# Altium PCB MODULE_CONTROL_V1.0.PcbDoc (part 2 of 2) (continued)
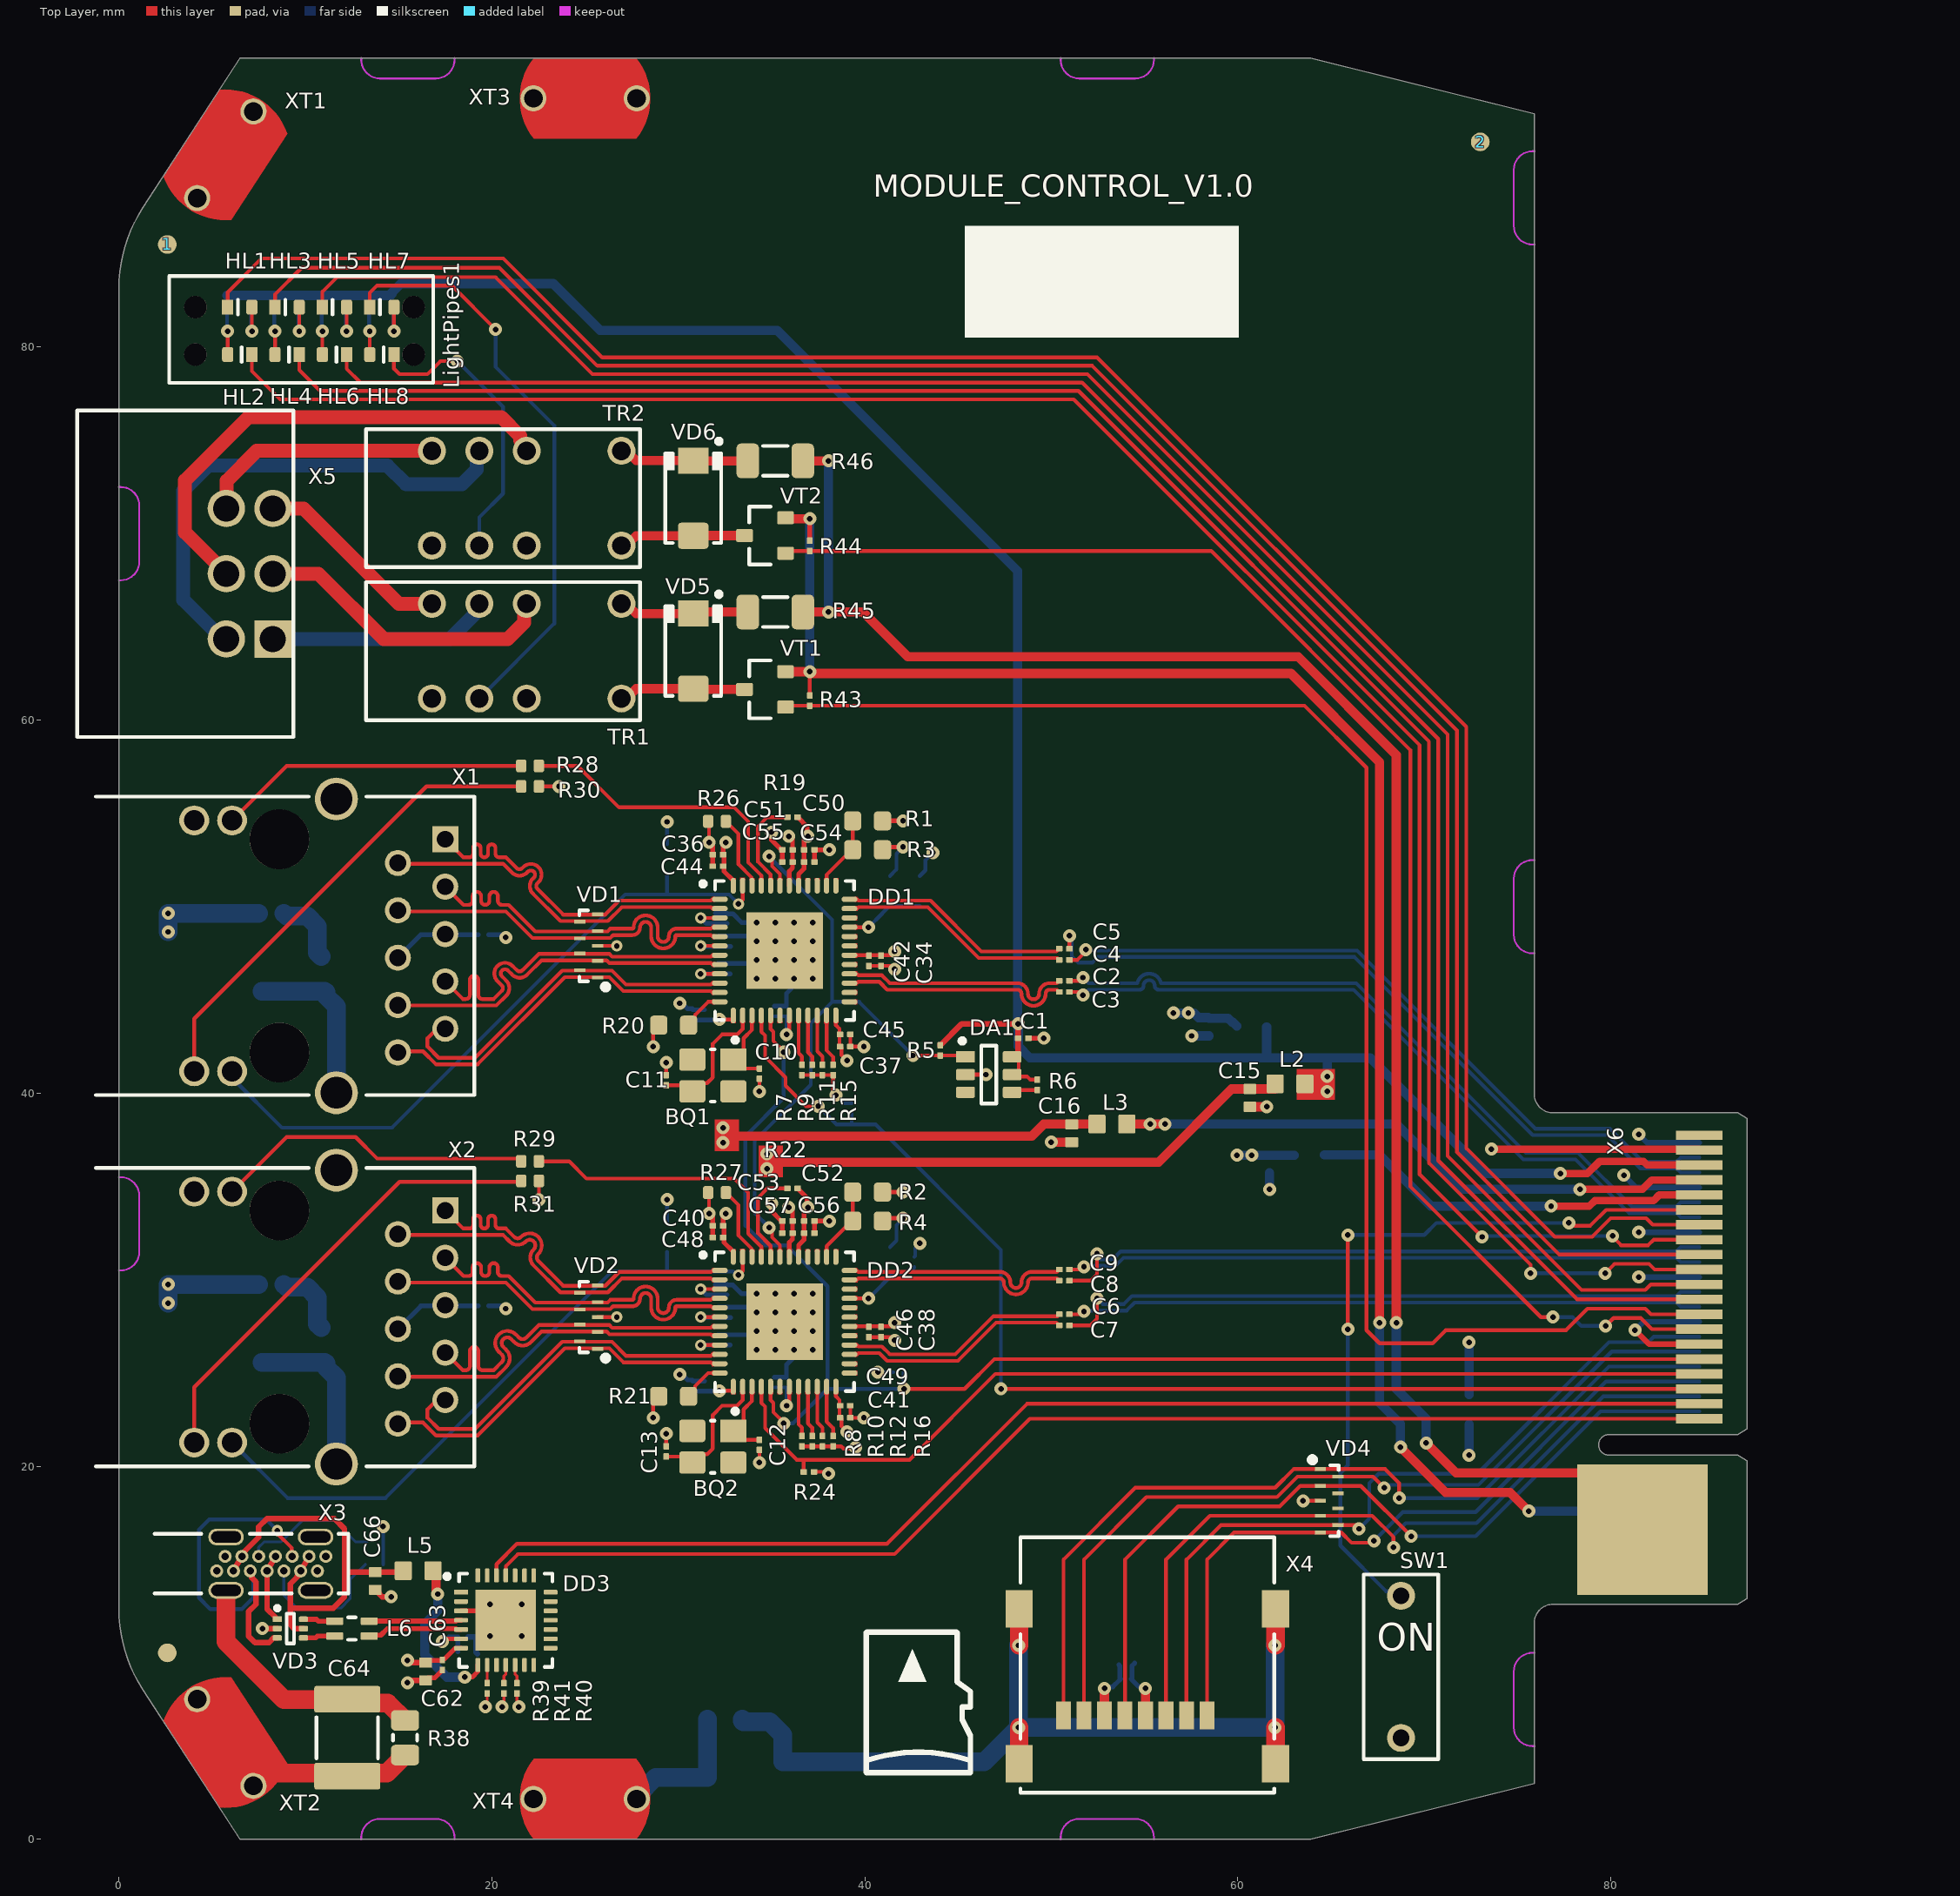
[diagram p0: Top Layer view]
## Nets (pads, with @x,y where several pads share a name; then routed paths per layer and width w, separated by ;. In a path a pad name is that pad's centre, name@x,y a point inside that pad or via, vN(x,y) a via of type N, cw(c..) or ccw(c..) an arc to the next point about the centre after c; other vN are vias at no path point) (continued)
PHY0_TXRX_A_N: DD1.2 VD1.6 X1.2 | length 19.9
  Top Layer w0.199: X1.2@14.963,52.3 20.608,52.3 21.079,51.829 ccw(c21.484,52.234) 21.889,51.829 21.935,51.876 cw(c22.094,51.717) 22.253,51.876 cw(c22.094,51.717) 22.319,51.717 cw(c22.094,51.717) 22.253,51.558 22.206,51.511 ; 22.206,51.511 ccw(c22.611,51.107) 22.206,50.702 23.681,49.227 26.227,49.227 26.976,49.976 31.744,49.976 31.804,49.915 32.21,49.915 DD1.2@32.225,49.9
PHY0_TXRX_A_P: DD1.1 VD1.5 X1.1 | length 19.9
  Top Layer w0.199: X1.1@17.503,53.615 18.47,52.648 18.8,52.648 ccw(c18.8,52.847) 18.999,52.847 18.999,53.145 cw(c19.199,53.145) 19.199,53.344 cw(c19.199,53.145) 19.398,53.145 19.398,52.847 ccw(c19.598,52.847) 19.598,52.648 ccw(c19.598,52.847) 19.797,52.847 19.797,53.145 cw(c19.997,53.145) 19.997,53.344 cw(c19.997,53.145) 20.196,53.145 20.196,52.847 ccw(c20.396,52.847) 20.396,52.648 20.595,52.648 20.752,52.648 20.775,52.625 21.325,52.075 ccw(c21.484,52.234) 21.642,52.075 21.689,52.122 cw(c22.094,51.717) 22.499,52.122 cw(c22.094,51.717) 22.667,51.717 cw(c22.094,51.717) 22.499,51.312 22.452,51.265 ccw(c22.611,51.107) 22.452,50.948 23.825,49.575 26.083,49.575 26.832,50.324 31.744,50.324 31.804,50.384 32.21,50.384 DD1.1@32.225,50.4
PHY0_TXRX_B_N: DD1.5 VD1.7 X1.4 | length 19.7
  Top Layer w0.199: X1.4@15.05,49.75 20.758,49.75 22.181,48.327 26.352,48.327 26.501,48.476 27.534,48.476 ccw(c27.534,48.89) 27.947,48.89 cw(c28.247,48.89) 28.247,49.189 cw(c28.247,48.89) 28.546,48.89 28.546,48.41 ccw(c29.194,48.41) 29.194,47.763 ccw(c29.194,48.41) 29.841,48.41 cw(c29.907,48.41) 29.907,48.476 31.744,48.476 31.804,48.415 32.21,48.415 DD1.5@32.225,48.4
PHY0_TXRX_B_P: DD1.4 VD1.4 X1.3 | length 19.7
  Top Layer w0.199: X1.3@17.503,51.075 18.48,50.098 18.75,50.098 ccw(c18.75,50.322) 18.974,50.322 18.974,50.57 cw(c19.199,50.57) 19.199,50.794 cw(c19.199,50.57) 19.423,50.57 19.423,50.323 ccw(c19.648,50.323) 19.648,50.098 ccw(c19.648,50.322) 19.872,50.322 19.872,50.57 cw(c20.097,50.57) 20.097,50.794 cw(c20.097,50.57) 20.321,50.57 20.321,50.323 ccw(c20.546,50.323) 20.546,50.098 20.77,50.098 20.8,50.098 20.902,50.098 22.325,48.675 26.208,48.675 26.357,48.824 27.534,48.824 ccw(c27.534,48.89) 27.599,48.89 cw(c28.247,48.89) 28.247,49.537 cw(c28.247,48.89) 28.894,48.89 28.894,48.41 ccw(c29.194,48.41) 29.194,48.111 ccw(c29.194,48.41) 29.493,48.41 cw(c29.907,48.41) 29.907,48.824 31.744,48.824 31.804,48.884 32.21,48.884 DD1.4@32.225,48.9
PHY0_TXRX_C_N: DD1.8 VD1.2 X1.8 | length 19.9
  Top Layer w0.199: X1.8@15,44.702 20.244,44.702 20.771,45.229 ccw(c20.366,45.634) 20.939,45.634 ccw(c20.366,45.634) 20.771,46.039 20.548,46.262 cw(c20.706,46.421) 20.548,46.58 cw(c20.706,46.421) 20.865,46.58 21.089,46.356 ccw(c21.493,46.761) 21.898,46.356 22.667,47.125 26.158,47.125 26.307,46.976 31.744,46.976 31.804,46.915 32.21,46.915 DD1.8@32.225,46.9
PHY0_TXRX_C_P: DD1.7 VD1.8 X1.7 | length 19.9
  Top Layer w0.199: X1.7@17.503,45.995 18.448,45.05 18.6,45.05 ccw(c18.6,45.274) 18.824,45.274 18.824,46.072 cw(c19.049,46.072) 19.049,46.296 cw(c19.049,46.072) 19.273,46.072 19.273,45.275 ccw(c19.498,45.275) 19.498,45.05 19.722,45.05 20.1,45.05 20.125,45.075 20.525,45.475 ccw(c20.366,45.634) 20.591,45.634 ccw(c20.366,45.634) 20.525,45.792 20.301,46.016 cw(c20.706,46.421) 20.301,46.826 cw(c20.706,46.421) 21.111,46.826 21.335,46.602 ccw(c21.493,46.761) 21.652,46.602 22.523,47.473 26.302,47.473 26.451,47.324 31.744,47.324 31.804,47.384 32.21,47.384 DD1.7@32.225,47.4
PHY0_TXRX_D_N: DD1.11 VD1.1 X1.10 | length 19.9
  Top Layer w0.199: X1.10@14.963,42.185 15.025,42.248 16.31,42.248 17.006,41.552 19.244,41.552 23.917,46.225 26.3,46.225 27.049,45.476 31.744,45.476 31.804,45.415 32.21,45.415 DD1.11@32.225,45.4
PHY0_TXRX_D_P: DD1.10 VD1.9 X1.9 | length 19.8
  Top Layer w0.199: X1.9@17.503,43.455 17.055,43.455 16.55,42.95 16.55,42.5 17.15,41.9 19.1,41.9 23.773,46.573 26.444,46.573 27.193,45.824 31.744,45.824 31.804,45.884 32.21,45.884 DD1.10@32.225,45.9
PHY1_LED_G: DD2.45 R29.1 | length 15.7
  Top Layer w0.2: R29.1@22.525,36.35 24.15,36.35 25.075,35.425 33,35.425 33.75,34.675 33.75,32.475 34.45,31.775 DD2.45@34.45,31.225
PHY1_LED_Y: DD2.47 R33.2 X2.13 | length 35.6
  Top Layer w0.2: v3(33.225,30.25) 33.45,30.475 DD2.47@33.45,31.225
  Bottom Layer w0.2: X2.13@6.073,21.275 9.048,18.3 14.3,18.3 26.45,30.45 32.917,30.45 33.117,30.25 v3(33.225,30.25) ; 29.4,30.45 R33.2@29.4,31.5
PHY1_TXRX_A_N: DD2.2 VD2.6 X2.2 | length 19.9
  Top Layer w0.199: X2.2@14.963,32.4 20.608,32.4 20.953,32.055 ccw(c21.387,32.489) 21.821,32.055 cw(c22.032,31.843) 22.244,32.056 ; 22.244,32.055 cw(c22.032,31.843) 22.332,31.843 cw(c22.032,31.843) 22.244,31.631 ccw(c22.678,31.198) 22.244,30.764 23.681,29.327 26.227,29.327 26.976,30.076 31.744,30.076 31.804,30.015 32.21,30.015 DD2.2@32.225,30
PHY1_TXRX_A_P: DD2.1 VD2.5 X2.1 | length 19.9
  Top Layer w0.199: X2.1@17.503,33.715 18.47,32.748 18.8,32.748 ccw(c18.8,32.947) 18.999,32.947 18.999,33.245 cw(c19.199,33.245) 19.199,33.444 cw(c19.199,33.245) 19.398,33.245 19.398,32.947 ccw(c19.598,32.947) 19.598,32.748 ccw(c19.598,32.947) 19.797,32.947 19.797,33.245 cw(c19.997,33.245) 19.997,33.444 cw(c19.997,33.245) 20.196,33.245 20.196,32.947 ccw(c20.396,32.947) 20.396,32.748 20.595,32.748 20.752,32.748 20.775,32.725 21.199,32.301 ccw(c21.387,32.489) 21.575,32.301 cw(c22.032,31.843) 22.68,31.843 cw(c22.032,31.843) 22.49,31.385 ccw(c22.678,31.198) 22.49,31.01 23.825,29.675 26.083,29.675 26.832,30.424 31.744,30.424 31.804,30.484 32.21,30.484 DD2.1@32.225,30.5
PHY1_TXRX_B_N: DD2.5 VD2.7 X2.4 | length 19.7
  Top Layer w0.199: X2.4@15.05,29.85 20.758,29.85 22.181,28.427 26.352,28.427 26.501,28.576 27.534,28.576 ccw(c27.534,28.99) 27.947,28.99 cw(c28.247,28.99) 28.247,29.289 cw(c28.247,28.99) 28.546,28.99 28.546,28.51 ccw(c29.194,28.51) 29.194,27.863 ccw(c29.194,28.51) 29.841,28.51 cw(c29.907,28.51) 29.907,28.576 31.744,28.576 31.804,28.515 32.21,28.515 DD2.5@32.225,28.5
PHY1_TXRX_B_P: DD2.4 VD2.4 X2.3 | length 19.7
  Top Layer w0.199: X2.3@17.503,31.175 18.48,30.198 18.75,30.198 ccw(c18.75,30.422) 18.974,30.422 18.974,30.67 cw(c19.199,30.67) 19.199,30.894 cw(c19.199,30.67) 19.423,30.67 19.423,30.423 ccw(c19.648,30.423) 19.648,30.198 ccw(c19.648,30.422) 19.872,30.422 19.872,30.67 cw(c20.097,30.67) 20.097,30.894 cw(c20.097,30.67) 20.321,30.67 20.321,30.423 ccw(c20.546,30.423) 20.546,30.198 20.77,30.198 20.8,30.198 20.902,30.198 22.325,28.775 26.208,28.775 26.357,28.924 27.534,28.924 ccw(c27.534,28.99) 27.599,28.99 cw(c28.247,28.99) 28.247,29.637 cw(c28.247,28.99) 28.894,28.99 28.894,28.51 ccw(c29.194,28.51) 29.194,28.211 ccw(c29.194,28.51) 29.493,28.51 cw(c29.907,28.51) 29.907,28.924 31.744,28.924 31.804,28.984 32.21,28.984 DD2.4@32.225,29
PHY1_TXRX_C_N: DD2.8 VD2.2 X2.8 | length 19.8
  Top Layer w0.199: X2.8@15,24.802 20.244,24.802 20.771,25.329 ccw(c20.313,25.787) 20.961,25.787 ccw(c20.313,25.787) 20.771,26.245 20.618,26.397 cw(c20.83,26.609) 21.042,26.821 21.209,26.654 ccw(c21.652,27.098) 22.096,26.654 22.667,27.225 26.158,27.225 26.307,27.076 31.744,27.076 31.804,27.015 32.21,27.015 DD2.8@32.225,27
PHY1_TXRX_C_P: DD2.7 VD2.8 X2.7 | length 19.8
  Top Layer w0.199: X2.7@17.503,26.095 18.448,25.15 18.6,25.15 ccw(c18.6,25.375) 18.824,25.375 18.824,26.172 cw(c19.049,26.172) 19.049,26.396 cw(c19.049,26.172) 19.273,26.172 19.273,25.375 ccw(c19.498,25.375) 19.498,25.15 19.722,25.15 20.1,25.15 20.125,25.175 20.525,25.575 ccw(c20.313,25.787) 20.613,25.787 ccw(c20.313,25.787) 20.525,25.999 20.372,26.151 cw(c20.83,26.609) 21.288,27.067 21.455,26.9 ccw(c21.652,27.098) 21.85,26.9 22.523,27.573 26.302,27.573 26.451,27.424 31.744,27.424 31.804,27.484 32.21,27.484 DD2.7@32.225,27.5
PHY1_TXRX_D_N: DD2.11 VD2.1 X2.10 | length 19.9
  Top Layer w0.199: X2.10@14.963,22.285 15.025,22.348 16.31,22.348 17.006,21.652 19.244,21.652 23.917,26.325 26.3,26.325 27.049,25.576 31.744,25.576 31.804,25.515 32.21,25.515 DD2.11@32.225,25.5
PHY1_TXRX_D_P: DD2.10 VD2.9 X2.9 | length 19.8
  Top Layer w0.199: X2.9@17.503,23.555 17.055,23.555 16.55,23.05 16.55,22.6 17.15,22 19.1,22 23.773,26.673 26.444,26.673 27.193,25.924 31.744,25.924 31.804,25.984 32.21,25.984 DD2.10@32.225,26
PVIN: R45.1 R46.1 X6.P1 | length 95.5
  Top Layer w0.5: R45.1@36.68,65.8 v1(38.05,65.8) 39.9,65.8 42.3,63.4 63.231,63.4 68.5,58.131 v1(68.5,27.7) ; R46.1@36.68,73.9 v1(38.05,73.9) ; v1(70.1,21.25) 71.7,19.65 78.65,19.65 X6.P1@81.7,16.6
  Bottom Layer w0.5: v1(38.05,65.8) v1(38.05,73.9) ; v1(68.5,27.7) 68.5,24.15 70.1,22.55 v1(70.1,21.25)
RELE1_COM: TR1.4 X5.1 | length 12
  Bottom Layer w0.75: X5.1@8.263,64.35 17.75,64.35 19.33,65.93 TR1.4@19.33,66.24
RELE1_NC: TR1.3 X5.3 | length 16.3
  Top Layer w0.75: X5.3@8.263,67.85 10.7,67.85 14.2,64.35 20.85,64.35 21.729,65.229 21.729,66.099 TR1.3@21.87,66.24
RELE1_NO: TR1.5 X5.5 | length 10.6
  Top Layer w0.75: X5.5@8.263,71.35 9.9,71.35 15.01,66.24 TR1.5@16.79,66.24
RELE2_COM: TR2.4 X5.2 | length 27.1
  Bottom Layer w0.75: X5.2@5.763,64.35 5.55,64.35 3.45,66.45 3.45,72.3 4.8,73.65 14.4,73.65 15.4,72.65 18.4,72.65 19.186,73.436 19.186,74.296 TR2.4@19.33,74.44
RELE2_NC: TR2.3 X5.4 | length 26.7
  Top Layer w0.75: X5.4@5.763,67.85 3.55,70.063 3.55,72.85 6.95,76.25 20.5,76.25 21.514,75.236 21.514,74.999 21.87,74.643 TR2.3@21.87,74.44
RELE2_NO: TR2.5 X5.6 | length 13.2
  Top Layer w0.75: X5.6@5.763,71.35 5.784,71.372 5.784,72.834 7.39,74.44 TR2.5@16.79,74.44
SGMII0_RX_N: C5.1 X6.36 | length 40.6
  Top Layer w0.199: C5.1@50.975,47.75 v1(50.975,48.45)
  Bottom Layer w0.199: v1(50.975,48.45) 51.1,48.325 51.1,47.35 51.45,47 52.2,47 52.502,47.302 66.256,47.302 75.806,37.752 79.806,37.752 81.582,35.976 83.524,35.976 83.75,35.75 X6.36@84.75,35.75
SGMII0_RX_P: C4.1 X6.38 | length 38.7
  Top Layer w0.199: C4.1@50.975,47.15 51.4,47.15 v1@51.85,47.6
  Bottom Layer w0.199: v1@51.85,47.65 66.4,47.65 75.95,38.1 79.95,38.1 81.726,36.324 83.524,36.324 83.75,36.55 X6.38@84.75,36.55
  other v1: 51.85,47.7
SGMII0_TX_N: C2.1 X6.32 | length 39.5
  Top Layer w0.199: C2.1@50.975,46.03 51.53,46.03 v1(51.7,46.2)
  Bottom Layer w0.199: v1(51.7,46.2) 52,45.9 54.614,45.9 cw(c55.247,45.766) 55.88,45.9 66.35,45.9 75.452,36.798 78.252,36.798 81.126,33.924 83.524,33.924 83.75,34.15 X6.32@84.75,34.15
SGMII0_TX_P: C3.1 X6.30 | length 39.6
  Top Layer w0.199: C3.1@50.975,45.43 51.53,45.43 v1(51.7,45.26)
  Bottom Layer w0.199: v1(51.7,45.26) 51.992,45.552 54.734,45.552 ccw(c54.734,45.766) 54.947,45.766 cw(c55.247,45.766) 55.546,45.766 ccw(c55.76,45.766) 55.76,45.552 66.206,45.552 75.308,36.45 78.108,36.45 80.982,33.576 83.524,33.576 83.75,33.35 X6.30@84.75,33.35
SGMII1_RX_N: C9.1 X6.24 | length 34
  Top Layer w0.199: C9.1@50.975,30.55 v1@51.75,30.55
  Bottom Layer w0.199: v1@51.75,30.752 53.444,30.752 53.868,31.176 83.524,31.176 83.75,30.95 X6.24@84.75,30.95
  other v1: 51.75,30.7
SGMII1_RX_P: C8.1 X6.26 | length 35.4
  Top Layer w0.199: C8.1@50.975,29.95 52.1,29.95 52.45,30.3 v1(52.45,31.4)
  Bottom Layer w0.199: v1@52.4,31.25 52.55,31.1 53.3,31.1 53.724,31.524 83.524,31.524 83.75,31.75 X6.26@84.75,31.75
SGMII1_TX_N: C6.1 X6.18 | length 34
  Top Layer w0.199: C6.1@50.975,28.15 v1@51.75,28.15
  Bottom Layer w0.199: v1@51.75,28.352 54.044,28.352 54.468,28.776 83.524,28.776 83.75,28.55 X6.18@84.75,28.55
  other v1: 51.75,28.3
SGMII1_TX_P: C7.1 X6.20 | length 35.4
  Top Layer w0.199: C7.1@50.975,27.55 52.1,27.55 52.45,27.9 v1(52.45,29)
  Bottom Layer w0.199: v1(52.45,29) 52.75,28.7 53.9,28.7 54.324,29.124 83.524,29.124 83.75,29.35 X6.20@84.75,29.35
SHIELD: C60.2 C61.2 C64.2 C68.2 R34.2 R35.2 R38.2 R42.2 XT1.1 XT2.1 XT3.1 XT4.1 | length 35.3
  Top Layer w1: XT2.1@7.322,2.867 8.005,3.55 14.38,3.55 15.1,4.27 15.1,4.47 15.15,4.52 R38.2@15.35,4.52
  Bottom Layer w1: v1(2.65,28.75) v1(2.65,29.75) C61.2@7.5,29.75 ; v1(2.65,48.65) v1(2.65,49.65) C60.2@7.5,49.65 ; C61.2@8.85,29.75 9,29.6 10.1,29.6 10.65,29.05 10.65,27.63 R35.2@10.85,27.43 ; C60.2@8.85,49.65 9,49.5 10.1,49.5 10.65,48.95 10.65,47.53 R34.2@10.85,47.33 ; XT4.1@27.85,2.4 28.78,3.33 31.57,3.33 R42.2@31.57,6.45
SYS_RESET: DA1.1 DD1.43 DD2.43 R5.2 | length 35
  Top Layer w0.2: v1@35.025,32.75 35.025,32.275 35.45,31.85 DD2.43@35.45,31.225 ; v1@35.025,52.65 35.025,52.175 35.45,51.75 DD1.43@35.45,51.125 ; v1(42.575,42.025) R5.2@44.05,42.025 DA1.1@45.325,42.025
  Bottom Layer w0.2: v1(34.875,32.8) 34.1,33.575 34.1,37.45 37.1,40.45 37.1,43.75 38.25,44.9 ; v1(34.875,52.7) 34.875,52.675 38.25,49.3 38.25,44.9 ; v1(42.575,42.025) 39.7,44.9 38.25,44.9
USB_D_N: DD3.5 L6.3 | length 4.9
  Top Layer w0.265: L6.3@13.6,10.95 14.05,10.95 14.393,11.293 18.072,11.293 18.115,11.25 DD3.5@18.35,11.25
USB_D_P: DD3.4 L6.2 | length 5.1
  Top Layer w0.265: L6.2@13.25,11.707 18.072,11.707 18.115,11.75 DD3.4@18.35,11.75
USB_PWR: DD3.8 L5.2 | length 8.7
  Top Layer w0.25: v1(18.55,8.7) 18.95,8.7 19.25,9 DD3.8@19.25,9.35
  Top Layer w0.5: L5.2@16.85,14.4 17.013,14.237 17.013,13.291 17.062,13.242 17.062,13.188 v1(17.1,13.15)
  Bottom Layer w0.5: v1(17.1,13.15) 17.1,12.25 16.4,11.55 16.4,9.9 17.6,8.7 v1(18.55,8.7)
VBUS: C66.2 L5.1 VD3.5 X3.A4 X3.A9 X3.B4 X3.B9 | length 22.5
  Top Layer w0.3: X3.B9@6.15,14.39 X3.A4@6.6,15.17 6.6,15.265 6.775,15.44 6.775,15.475 7.5,16.2 7.5,16.75 7.95,17.2 11.55,17.2 12.1,16.65 12.1,13 11.5,12.4 9.2,12.4 ; VD3.5@9.9,11.3 9.4,11.3 9.2,11.5 9.2,12.4 ; X3.A9@10.2,15.17 X3.B4@9.75,14.39 9.75,14.295 9.575,14.12 9.575,14.075 9.2,13.7 9.2,12.4 ; 12.125,14.325 C66.2@13.75,14.325 L5.1@15.175,14.325
pads on no net: 1.FM 2.FM 3.FM 4.FM 5.FM ?.FM BQ1.2 BQ1.4 BQ2.2 BQ2.4 DA1.3 DD1.18 DD1.25 DD1.26 DD1.29 DD1.31 DD1.32 DD1.34 DD1.37 DD1.39 DD1.40 DD2.18 DD2.25 DD2.26 DD2.29 DD2.31 DD2.32 DD2.34 DD2.37 DD2.39 DD2.40 DD3.1 DD3.2 DD3.10 DD3.13 DD3.14 DD3.15 DD3.16 DD3.17 DD3.18 DD3.19 DD3.20 DD3.21 DD3.22 DD3.23 DD3.24 DD3.27 DD3.28 LightPipes1.0 TR1.10 TR2.10 VD4.7 VD4.8 X1.0 X2.0 X6.2 X6.39 XT1.0 XT2.0 XT3.0 XT4.0

## Polygon pours and split planes (outlines as drawn)
NetL7_2 on Int1 (GND) (split plane): 74.148,37.158 74.148,34.342 72.978,33.172 72.956,33.139 72.948,33.1 72.948,26.502 72.648,26.202 72.142,26.202 71.752,26.592 71.752,33.408 72.972,34.628 72.994,34.661 73.002,34.7 73.002,37.128 73.372,37.498 73.808,37.498
GND on Int1 (GND) (split plane): 75.39,92.101 75.39,39.95 75.39,39.948 75.399,39.781 75.427,39.614 75.474,39.451 75.539,39.295 75.621,39.146 75.719,39.008 75.832,38.882 75.958,38.769 76.096,38.671 76.245,38.589 76.401,38.524 76.564,38.477 76.731,38.449 76.857,38.442 76.864,38.441 76.874,38.441 76.898,38.44 76.9,38.44 86.659,38.44 86.79,38.361 86.79,22.289 86.659,22.21 79.9,22.21 79.894,22.21 79.762,22.201 79.626,22.174 79.494,22.13 79.37,22.068 79.255,21.991 79.15,21.9 79.059,21.795 78.982,21.68 78.92,21.556 78.876,21.424 78.849,21.288 78.84,21.15 78.849,21.012 78.876,20.876 78.92,20.744 78.982,20.62 79.059,20.505 79.15,20.4 79.255,20.309 79.37,20.232 79.494,20.17 79.626,20.126 79.762,20.099 79.894,20.09 79.9,20.09 86.659,20.09 86.79,20.011 86.79,13.189 86.659,13.11 76.9,13.11 76.898,13.11 76.731,13.101 76.564,13.073 76.401,13.026 76.245,12.961 76.096,12.879 75.958,12.781 75.832,12.668 75.719,12.542 75.621,12.404 75.539,12.255 75.474,12.099 75.427,11.936 75.399,11.769 75.39,11.602 75.39,11.6 75.39,3.399 63.837,0.51 29.802,0.51 29.802,4.65 29.794,4.715 29.768,4.776 29.746,4.806 29.728,4.828 28.528,6.028 28.476,6.068 28.415,6.094 28.35,6.102 19.104,6.102 17.828,7.378 17.776,7.418 17.715,7.444 17.65,7.452 9.254,7.452 3.752,12.954 3.752,83.046 10.105,89.398 28.35,89.398 28.415,89.407 28.476,89.432 28.528,89.472 29.728,90.672 29.746,90.695 29.768,90.724 29.794,90.785 29.802,90.85 29.802,94.99 63.837,94.99
SHIELD on Int1 (GND) (split plane): 29.298,90.955 28.246,89.902 10,89.902 9.935,89.894 9.874,89.869 9.822,89.829 3.322,83.328 3.282,83.276 3.256,83.215 3.248,83.15 3.248,12.85 3.256,12.785 3.282,12.724 3.322,12.672 8.972,7.022 8.994,7.004 9.024,6.982 9.085,6.956 9.15,6.948 17.546,6.948 18.822,5.672 18.874,5.632 18.935,5.606 19,5.598 28.246,5.598 29.298,4.546 29.298,0.51 6.777,0.51 1.719,8.3 1.717,8.302 1.715,8.305 1.714,8.307 1.574,8.527 1.393,8.847 1.228,9.176 1.079,9.512 0.946,9.855 0.831,10.204 0.733,10.558 0.652,10.917 0.589,11.28 0.544,11.645 0.517,12.011 0.509,12.361 0.51,12.379 0.51,83.121 0.509,83.139 0.517,83.489 0.544,83.855 0.589,84.22 0.652,84.583 0.733,84.942 0.831,85.296 0.946,85.645 1.079,85.988 1.228,86.324 1.393,86.653 1.574,86.973 1.714,87.193 1.715,87.195 1.717,87.198 1.719,87.2 6.777,94.99 29.298,94.99
eth_AVDDH on Int2 (PWR) (split plane): 31.948,50.052 31.948,49.392 30.728,48.172 30.706,48.139 30.698,48.1 30.698,47.65 30.706,47.611 30.728,47.578 34.148,44.158 34.148,41.112 34.156,41.073 34.178,41.04 35.148,40.07 35.148,35.842 34.178,34.872 34.156,34.839 34.148,34.8 34.148,31.892 30.728,28.472 30.706,28.439 30.698,28.4 30.698,27.65 30.706,27.611 30.728,27.578 32.598,25.708 32.598,24.752 31.592,24.752 29.902,26.442 29.902,29.758 33.172,33.028 33.194,33.061 33.202,33.1 33.202,43.75 33.194,43.789 33.172,43.822 32.472,44.522 32.439,44.544 32.4,44.552 31.492,44.552 29.952,46.092 29.952,48.958 31.497,50.503
eth_1V8 on Int2 (PWR) (split plane): 33.698,52.992 29.778,49.072 29.756,49.039 29.748,49 29.748,46.05 29.756,46.011 29.778,45.978 31.378,44.378 31.411,44.356 31.45,44.348 32.358,44.348 32.998,43.708 32.998,33.142 29.728,29.872 29.706,29.839 29.698,29.8 29.698,26.4 29.706,26.361 29.728,26.328 31.478,24.578 31.511,24.556 31.55,24.548 32.598,24.548 32.598,23.452 29.992,23.452 28.402,25.042 28.402,30.708 30.372,32.678 30.394,32.711 30.402,32.75 30.402,42 30.394,42.039 30.372,42.072 28.452,43.992 28.452,49.558 32.172,53.278 32.194,53.311 32.202,53.35 32.202,54.548 33.698,54.548
eth_1V0 on Int2 (PWR) (split plane): 36.348,52.542 33.428,49.622 33.406,49.589 33.398,49.55 33.398,46.45 33.406,46.411 33.428,46.378 35.098,44.708 35.098,43.2 35.106,43.161 35.128,43.128 35.678,42.578 35.711,42.556 35.75,42.548 42.558,42.548 43.878,41.228 43.911,41.206 43.95,41.198 57.408,41.198 61.298,37.308 61.298,36.492 60.958,36.152 59.642,36.152 56.122,39.672 56.089,39.694 56.05,39.702 43.442,39.702 42.572,40.572 42.539,40.594 42.5,40.602 37.7,40.602 37.661,40.594 37.628,40.572 36.378,39.322 36.356,39.289 36.348,39.25 36.348,31.892 33.528,29.072 33.506,29.039 33.498,29 33.498,26.35 33.506,26.311 33.528,26.278 34.278,25.528 34.311,25.506 34.35,25.498 36.158,25.498 39.496,22.16 39.496,21.79 39.11,21.404 38.64,21.404 36.174,23.87 36.141,23.892 36.102,23.9 35.348,23.9 35.309,23.892 35.276,23.87 34.858,23.452 32.802,23.452 32.802,24.65 32.802,25.75 32.794,25.789 32.772,25.822 30.902,27.692 30.902,28.358 34.322,31.778 34.344,31.811 34.352,31.85 34.352,34.758 35.322,35.728 35.344,35.761 35.352,35.8 35.352,40.112 35.344,40.152 35.322,40.185 34.352,41.155 34.352,44.2 34.344,44.239 34.322,44.272 30.902,47.692 30.902,48.058 32.122,49.278 32.144,49.311 32.152,49.35 32.152,50.094 32.144,50.133 32.122,50.166 31.641,50.647 33.872,52.878 33.894,52.911 33.902,52.95 33.902,54.548 36.348,54.548
eth_DVDDH on Int2 (PWR) (split plane): 75.39,92.101 75.39,39.95 75.39,39.948 75.399,39.781 75.427,39.614 75.474,39.451 75.539,39.295 75.621,39.146 75.719,39.008 75.832,38.882 75.958,38.769 76.096,38.671 76.245,38.589 76.401,38.524 76.564,38.477 76.731,38.449 76.857,38.442 76.864,38.441 76.874,38.441 76.898,38.44 76.9,38.44 86.659,38.44 86.79,38.361 86.79,22.289 86.659,22.21 79.9,22.21 79.894,22.21 79.762,22.201 79.626,22.174 79.494,22.13 79.37,22.068 79.255,21.991 79.15,21.9 79.059,21.795 78.982,21.68 78.92,21.556 78.876,21.424 78.852,21.302 72.1,21.302 72.061,21.294 72.028,21.272 71.028,20.272 71.006,20.239 70.998,20.2 70.998,12.992 67.558,9.552 19.992,9.552 18.222,11.322 18.189,11.344 18.15,11.352 15.9,11.352 15.861,11.344 15.828,11.322 14.578,10.072 14.556,10.039 14.548,10 14.548,7.452 9.254,7.452 3.752,12.954 3.752,83.046 10.105,89.398 28.35,89.398 28.415,89.407 28.476,89.432 28.528,89.472 29.728,90.672 29.746,90.695 29.768,90.724 29.794,90.785 29.802,90.85 29.802,94.99 63.837,94.99
+3V3 on Int2 (PWR) (split plane): 78.849,21.012 78.876,20.876 78.92,20.744 78.982,20.62 79.059,20.505 79.15,20.4 79.255,20.309 79.37,20.232 79.494,20.17 79.626,20.126 79.762,20.099 79.894,20.09 79.9,20.09 86.659,20.09 86.79,20.011 86.79,13.189 86.659,13.11 76.9,13.11 76.898,13.11 76.731,13.101 76.564,13.073 76.401,13.026 76.245,12.961 76.096,12.879 75.958,12.781 75.832,12.668 75.719,12.542 75.621,12.404 75.539,12.255 75.474,12.099 75.427,11.936 75.399,11.769 75.39,11.602 75.39,11.6 75.39,3.399 63.837,0.51 29.802,0.51 29.802,4.65 29.794,4.715 29.768,4.776 29.746,4.806 29.728,4.828 28.528,6.028 28.476,6.068 28.415,6.094 28.35,6.102 19.104,6.102 17.828,7.378 17.776,7.418 17.715,7.444 17.65,7.452 14.752,7.452 14.752,9.958 15.942,11.148 18.108,11.148 19.878,9.378 19.911,9.356 19.95,9.348 67.6,9.348 67.639,9.356 67.672,9.378 71.172,12.878 71.194,12.911 71.202,12.95 71.202,20.158 72.142,21.098 78.843,21.098
SHIELD on Int2 (PWR) (split plane): 29.298,90.955 28.246,89.902 10,89.902 9.935,89.894 9.874,89.869 9.822,89.829 3.322,83.328 3.282,83.276 3.256,83.215 3.248,83.15 3.248,12.85 3.256,12.785 3.282,12.724 3.322,12.672 8.972,7.022 8.994,7.004 9.024,6.982 9.085,6.956 9.15,6.948 17.546,6.948 18.822,5.672 18.874,5.632 18.935,5.606 19,5.598 28.246,5.598 29.298,4.546 29.298,0.51 6.777,0.51 1.719,8.3 1.717,8.302 1.715,8.305 1.714,8.307 1.574,8.527 1.393,8.847 1.228,9.176 1.079,9.512 0.946,9.855 0.831,10.204 0.733,10.558 0.652,10.917 0.589,11.28 0.544,11.645 0.517,12.011 0.509,12.361 0.51,12.379 0.51,83.121 0.509,83.139 0.517,83.489 0.544,83.855 0.589,84.22 0.652,84.583 0.733,84.942 0.831,85.296 0.946,85.645 1.079,85.988 1.228,86.324 1.393,86.653 1.574,86.973 1.714,87.193 1.715,87.195 1.717,87.198 1.719,87.2 6.777,94.99 29.298,94.99

## Other copper
Top Layer:
  rectangle net eth_1V8: 31.95,36.9 33.25,38.6
  rectangle net eth_AVDDH: 34.3,35.5 35.6,37.2
  rectangle net +2V5_EXT: 63.15,39.65 65.2,41.3
Int1 (GND) (plane layer: these items are gaps in the copper):
  lines w0.2: 71.65,26.55 71.65,33.45 72.9,34.7 72.9,37.17 73.33,37.6 73.85,37.6 74.25,37.2 74.25,34.3 73.05,33.1 73.05,26.46 72.69,26.1 72.1,26.1 71.65,26.55
  lines w0.5: 29.55,0 29.55,4.65 28.35,5.85 19,5.85 17.65,7.2 9.15,7.2 3.5,12.85 3.5,83.15 10,89.65 28.35,89.65 29.55,90.85 29.55,95.5
Int2 (PWR) (plane layer: these items are gaps in the copper):
  lines w0.2: 14.65,7.25 14.65,10 15.9,11.25 18.15,11.25 19.95,9.45 67.6,9.45 71.1,12.95 71.1,20.2 72.1,21.2 79.4,21.2 ; 31.544,50.6 32.05,50.094 32.05,49.35 30.8,48.1 30.8,47.65 34.25,44.2 34.25,41.112 35.25,40.112 35.25,35.8 34.25,34.8 34.25,31.85 30.8,28.4 30.8,27.65 32.7,25.75 32.7,24.65 ; 32.7,23.35 29.95,23.35 28.3,25 28.3,30.75 30.3,32.75 30.3,42 28.35,43.95 28.35,49.6 32.1,53.35 32.1,54.65 33.8,54.65 ; 32.7,23.35 32.7,24.65 ; 32.7,23.35 34.9,23.35 35.348,23.798 36.102,23.798 38.598,21.302 39.152,21.302 39.598,21.748 39.598,22.202 36.2,25.6 34.35,25.6 33.6,26.35 33.6,29 36.45,31.85 36.45,39.25 37.7,40.5 42.5,40.5 43.4,39.6 56.05,39.6 59.6,36.05 61,36.05 61.4,36.45 61.4,37.35 57.45,41.3 43.95,41.3 42.6,42.65 35.75,42.65 35.2,43.2 35.2,44.75 33.5,46.45 33.5,49.55 36.45,52.5 36.45,54.65 33.8,54.65 ; 32.7,24.65 31.55,24.65 29.8,26.4 29.8,29.8 33.1,33.1 33.1,43.75 32.4,44.45 31.45,44.45 29.85,46.05 29.85,49 33.8,52.95 33.8,54.65
  lines w0.5: 29.55,0 29.55,4.65 28.35,5.85 19,5.85 17.65,7.2 9.15,7.2 3.5,12.85 3.5,83.15 10,89.65 28.35,89.65 29.55,90.85 29.55,95.5

## Silkscreen, mask and mechanical layers (free items; w line width, h text height)
Top Overlay:
  region: 60.05,86.5 45.35,86.5 45.35,80.5 60.05,80.5
  region: 42.55,10.2 41.8,8.45 43.3,8.45
  lines w0.3: 40.075,4.239 40.075,4.029 40.075,3.62 ccw(c40.125,3.62) 40.125,3.57 45.615,3.57 ccw(c45.615,3.62) 45.665,3.62 45.665,4.029 45.665,4.239 ; 40.075,4.239 40.075,11.05 cw(c40.125,11.05) 40.125,11.1 44.9,11.1 cw(c44.9,11.05) 44.95,11.05 44.95,8.456 45.665,7.925 45.665,7.095 45.22,7.095 45.22,6.41 45.665,5.56 45.665,4.239 ; 40.075,4.239 40.125,4.239 cw(c42.87,-4.187) 45.615,4.239 45.665,4.239
  text "MODULE_CONTROL_V1.0" at 40.45,88.05 h1.2
Bottom Overlay:
  region: 61.3,87.25 46.6,87.25 46.6,81.25 61.3,81.25
  text "MODULE_CONTROL_V1.0" at 66.05,88.8 h1.2
Top Environment:
  lines w0.1: -2.2,10.935 ccw(c1.8,10.935) -1.555,8.756 ; -2.2,10.935 -2.2,84.565 ; -2.2,10.935 -0.2,10.935 ; -2.2,84.565 cw(c1.8,84.565) -1.555,86.744 ; -2.2,84.565 -0.2,84.565 ; -1.555,8.756 5.806,-2.579 ; -1.555,8.756 0.123,9.846 ; -1.555,86.744 5.806,98.079 ; -1.555,86.744 0.123,85.654 ; -0.2,10.935 ccw(c1.8,10.935) 0.123,9.846 ; -0.2,10.935 -0.2,84.565 ; -0.2,84.565 cw(c1.8,84.565) 0.123,85.654 ; 0.123,9.846 7.484,-1.489 ; 0.123,85.654 7.484,96.989 ; 5.806,-2.579 ccw(c9.161,-0.4) 9.161,-4.4 ; 5.806,-2.579 7.484,-1.489 ; 5.806,98.079 cw(c9.161,95.9) 9.161,99.9 ; 5.806,98.079 7.484,96.989 ; 7.484,-1.489 ccw(c9.161,-0.4) 9.161,-2.4 ; 7.484,96.989 cw(c9.161,95.9) 9.161,97.9 ; 9.161,-4.4 14.989,-4.4 ; 9.161,-4.4 9.161,-2.4 ; 9.161,-2.4 14.989,-2.4 ; 9.161,97.9 14.989,97.9 ; 9.161,97.9 9.161,99.9 ; 9.161,99.9 14.989,99.9 ; 14.989,-4.4 19.989,-4.4 19.989,-2.4 14.989,-2.4 ; 14.989,-4.4 14.989,-2.4 ; 14.989,97.9 19.989,97.9 19.989,99.9 14.989,99.9 ; 14.989,97.9 14.989,99.9
  text "h=17,1mm" at 32.05,-5.6 h4
Bottom Environment:
  text "h=3,25mm" at 31.8,-9.5 h4
Board:
  the board outline again, w0.1

## Text inside footprints (layer, text, board x,y; h text height)
LightPipes1: Designer Notes "max LED height 1.1mm" at 5.205,78.57 h0.3 r90
SW1: Top Overlay "ON" at 67.45,10.1 h1.5
X6: Fab Notes "Фаска 0,45mm x 30° (с обеих сторон)" at 89.552,40.331 h1 r90; Fab Notes "Chamfer 0,45mm x 30° (both sides)" at 90.622,40.271 h1 r90